# Altium PCB motordriver-v5.2.PcbDoc (part 3 of 7)
Units mil, origin at the board's own origin, x right, y up, seen from the top; angles counter-clockwise.
Board outline 4530.01 x 6141.73 mil, 6 copper layers (Top Copper, GND Layer 1, Signal Layer 1, Signal Layer 2, PWR Layer, Bottom Copper), stack 58.2 mil thick; 778 components, 542 nets, 2552 pads, 1095 vias.
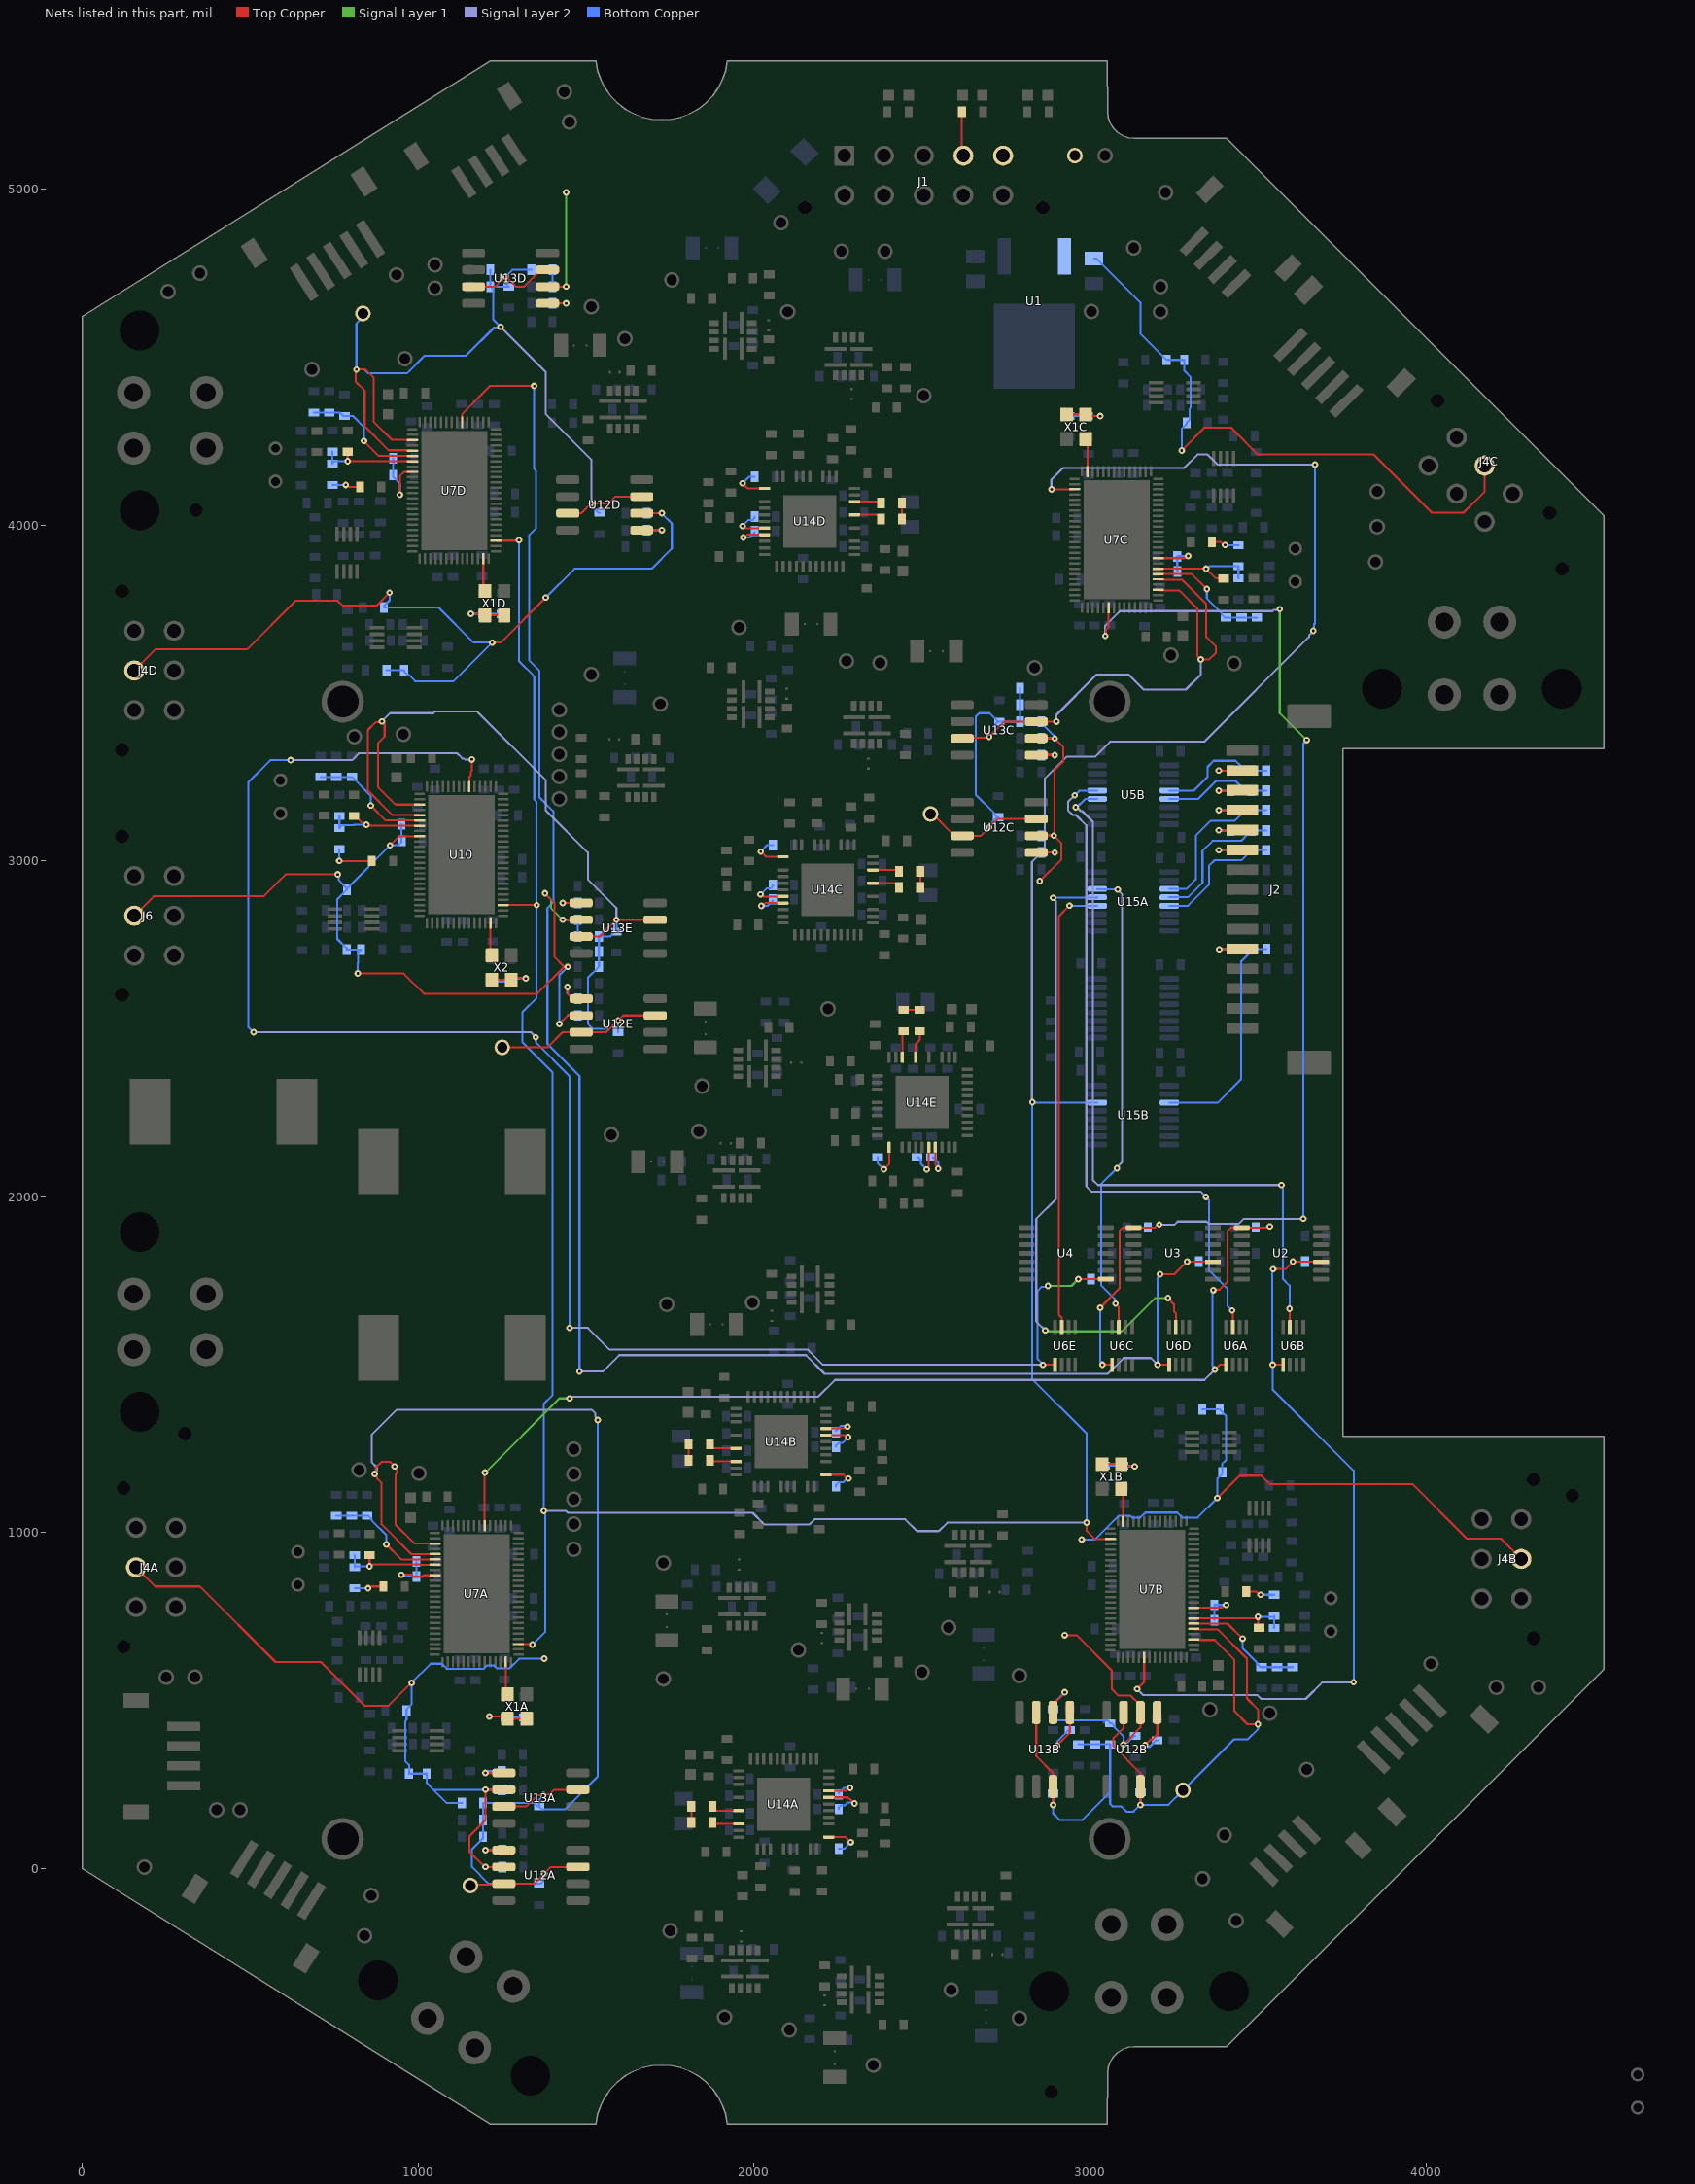
[diagram p7: the nets of this part, all layers, seen from the top]

## Part data
C1 C2: library part "CAP 10uF 35V_1", "Default Symbol for Capacitors", Manufacturer Part Number 1=C2012X5R1V106K125AC, Rating=35V, Supplier Part Number 1=445-14418-1-ND, Temperature Coefficient=X5R, Tolerance=10%, Part Number="CAP 10uF 35V_1", Supplier 1=Digi-Key
C3A C3B C4A C4B C5A C5B C5C C5D C6A C6B C6C C6D C7A C7B C7C C7D C8A C8B C8C C8D C9A C9B C9C C9D C9E C10A C10B C10C C10D C14A C14B C14C C14D C16A C16B C16C C16D C17A C17B C17C C17D C18A C18B C18C C18D C19A C19B C19C C19D C25A C25B C25C C25D C26A C26B C26C C26D C27A C27B C27C C27D C28A C28B C28C C28D C29A C29B C29C C29D C30A C30B C30C C30D C31 C32 C33 C34 C35 C40 C41 C42 C43 C46 C47 C48 C49 C50 C51 C54A C54B C54C C54D C54E C55A C55B C55C C55D C55E C57A C57B C57C C57D C57E C58A C58B C58C C58D C58E C60A C60B C60C C60D C60E C68A C68B C68C C68D C68E C72A C72B C72C C72D C72E C73A C73B C73C C73D C73E C74A C74B C74C C74D C74E C75A C75B C76A C76B: library part "CAP 100nF 50V", "Default Symbol for Capacitors", Manufacturer Part Number 1=CC0603KPX7R9BB104, Manufacturer Part Number 2=0805J0500104KJT, Rating=50V, Supplier Part Number 1=311-3567-1-ND, Temperature Coefficient=X7R, Tolerance=10%, Part Number="CAP 100nF 50V", Supplier 1=Digi-Key, Supplier 2=Digi-Key, Supplier Part Number 2=1608-1458-1-ND
C11A C11B C11C C11D C12A C12B C12C C12D C13A C13B C13C C13D C36 C37 C38: library part "CAP 1000pF 50V", "Default Symbol for Capacitors", Manufacturer Part Number 1="06035C102K4Z2A / 06035C102K4Z2A", Manufacturer Part Number 2=08055C102KAT2A, Rating=50V, Supplier Part Number 1=478-6342-1-ND, Temperature Coefficient=X7R, Tolerance=10%, Part Number="CAP 1000pF 50V", Supplier 1=Digi-Key, Supplier 2=Digi-Key, Supplier Part Number 2=478-1371-1-ND
C15A C15B C15C C15D C23A C23B C23C C23D C39 C44: library part "CAP 4.7uF 16V", "Default Symbol for Capacitors", Manufacturer Part Number 1=C1608X5R1C475K080AE, Manufacturer Part Number 2=C2012X5R1C475K085AB, Rating=16V, Supplier Part Number 1=445-175225-1-ND, Temperature Coefficient=X5R, Tolerance=10%, Part Number="CAP 4.7uF 16V", Supplier 1=Digi-Key, Supplier 2=Digi-Key, Supplier Part Number 2=445-14382-1-ND
C20A C20B C20C C20D C21A C21B C21C C21D C22A C22B C22C C22D: library part "CAP 100pF 50V", "Default Symbol for Capacitors", Manufacturer Part Number 1=C0603C101K5RAC7867, Manufacturer Part Number 2=C0805C101J5RAC7800, Rating=50V, Supplier Part Number 1=399-C0603C101K5RAC7867CT-ND, Temperature Coefficient=X7R, Tolerance=10%, Part Number="CAP 100pF 50V", Supplier 1=Digi-Key, Supplier 2=Digi-Key, Supplier Part Number 2=399-17420-1-ND
C24A C24B C24C C24D C45 C61A C61B C61C C61D C61E C62A C62B C62C C62D C62E C63A C63B C63C C63D C63E C71A C71B C71C C71D C71E: library part "CAP 470nF 50V", "Default Symbol for Capacitors", Manufacturer Part Number 1=C1608X7R1H474K080AC, Manufacturer Part Number 2=CL21B474KBFNNNG, Rating=50V, Supplier Part Number 1=445-5952-1-ND, Temperature Coefficient=X7R, Tolerance=10%, Part Number="CAP 470nF 50V", Supplier 1=Digi-Key, Supplier 2=Digi-Key, Supplier Part Number 2=1276-6482-1-ND
C52A C52B C52C C52D C52E C52F C52G C52H C52I C52J C52K C52L: library part "CAP 680pF 16V", "Default Symbol for Capacitors", Manufacturer Part Number 1=885012006028, Rating=16V, Supplier Part Number 1=732-12251-1-ND, Temperature Coefficient=X5R, Tolerance=10%, Part Number="CAP 680pF 16V", Supplier 1=Digi-Key
C53A C53B C53C C53D C53E C56A C56B C56C C56D C56E: library part "CAP 2200pF 50V", "Default Symbol for Capacitors", Manufacturer Part Number 1=06035C222KAT2A, Manufacturer Part Number 2=CL21B222KBANNNC, Rating=50V, Supplier Part Number 1=478-1219-1-ND, Temperature Coefficient=X7R, Tolerance=10%, Part Number="CAP 2200pF 50V", Supplier 1=Digi-Key, Supplier 2=Digi-Key, Supplier Part Number 2=1276-1171-1-ND
C59A C59B C59C C59D C59E C64A C64B C64C C64D C64E C69A C69B C69C C69D C69E C80A C80B C80C C80D C80E C81A C81B C81C C81D C81E C82A C82B C82C C82D C82E: library part "CAP 0.068uF 50V", "Default Symbol for Capacitors", Rating=50V, Temperature Coefficient=X7R, Tolerance=10%, Part Number="CAP 0.068uF 50V"
C65A C65B C65C C65D C65E: library part "CAP 10uF 50V", "Default Symbol for Capacitors", Manufacturer Part Number 1=GRM21BR61H106KE43L, Manufacturer Part Number 2=CL32B106KBJNNWE, Rating=50V, Supplier Part Number 1=490-18663-1-ND, Temperature Coefficient=X5R, Tolerance=10%, Part Number="CAP 10uF 50V", Supplier 1=Digi-Key, Supplier 2=Digi-Key, Supplier Part Number 2=1276-3388-1-ND
C66A C66B C66C C66D C66E C67A C67B C67C C67D C67E: library part "CAP 2.2uF 35V", "Default Symbol for Capacitors", Manufacturer Part Number 1=C1608X5R1V225K080AC, Manufacturer Part Number 2=CGA4J1X7R1V225K125AE, Rating=35V, Supplier Part Number 1=445-8025-1-ND, Temperature Coefficient=X5R, Tolerance=10%, Part Number="CAP 2.2uF 35V", Supplier 1=Digi-Key, Supplier 2=Digi-Key, Supplier Part Number 2=445-8787-1-ND
C70A C70B C70C C70D C70E: library part "CAP 0.022uF 35V", "Default Symbol for Capacitors", Manufacturer Part Number 1=GMK107BJ223KAHT, Manufacturer Part Number 2=GMK212SD223KG-T, Rating=35V, Supplier Part Number 1=587-3359-1-ND, Temperature Coefficient=X7R, Tolerance=10%, Part Number="CAP 0.022uF 35V", Supplier 1=Digi-Key, Supplier 2=Digi-Key, Supplier Part Number 2=587-1122-1-ND
C77A C77B C77C C77D C77E C78A C78B C78C C78D C78E C79A C79B C79C C79D C79E: library part "CAP 2.2uF 50V", "CAP CER 2.2UF 50V X5R 0603/0805", Manufacturer Part Number 1=GRM188R61H225KE11D, Operating Temperature="-55°C ~ 125°C", Package=0603/0805, Rating=50V, Supplier Part Number 1=81-GRM188R61H225KE1D, Temperature Coefficient=X5R, Tolerance=10%, Part Number="CAP 2.2uF 50V", Supplier 1=Mouser
D1: library part "DIODE TVS 26VWM 53.5VC SMA", "TVS DIODE 26V 53.5V SMA", Current Rating=43A, Manufacturer Part Number 1=SMAJ26CA-TR, Power=400W, Supplier Part Number 1=497-12523-1-ND, Voltage Rating - DC="26VWM, 53.5VC", Part Number="DIODE TVS 26VWM 53.5VC SMA", Pin Count=2, Supplier 1=Digi-Key, Supplier URL 1=https://www.digikey.ca/en/products/detail/stmicroelectronics/SMAJ26CA-TR/2214530?s=N4IgTCBcDaICwE4DsBaAjGArGAzOlAcgCIgC6AvkA
D2 D3 D4 D5A D5B D5C D5D D6: library part "LED GREEN SMD 0603", "LED Uni-Color Green 574nm 2-Pin Chip LED T/R", Current Rating=20mA, Manufacturer Part Number 1=LTST-C190KGKT, Supplier Part Number 1=160-1435-1-ND, Voltage Rating - DC=2V, Part Number="LED GREEN SMD 0603", Pin Count=2, Supplier 1=Digi-Key, Supplier URL 1=https://www.digikey.ca/en/products/detail/lite-on-inc/LTST-C190KGKT/386815?s=N4IgTCBcDaIIwDYAMBaOAWAzAVjSgcgCIgC6AvkA
D10A D10B D10C D10D D10E: library part "LED RED SMD 0603", "0603 red led alingap 631nm-639nm water clear 18-180mcd 130d", Current Rating=20mA, Manufacturer Part Number 1=LTST-C190KRKT, Supplier Part Number 1=160-1436-1-ND, Voltage Rating - DC=2V, Part Number="LED RED SMD 0603", Pin Count=2, Supplier 1=Digi-Key, Supplier URL 1=https://www.digikey.ca/en/products/detail/lite-on-inc/LTST-C190KRKT/386817?s=N4IgTCBcDaIIwDYAMBaOAWAzAtKByAIiALoC%2BQA
FB1A FB1B FB1C FB1D FB2: library part "FERRITE BEAD 200 MOHM 0603 1LN", "WURTH ELEKTRONIK - 742792651 - Ferrite Bead, 0603 [1608 Metric], 600 ohm, 1 A, WE-CBF Series, 0.2 ohm, &#177; 25%", Manufacturer Part Number 1=742792651, Supplier Part Number 1=732-1593-1-ND, Part Number="FERRITE BEAD 200 MOHM 0603 1LN", Supplier 1=Digi-Key, Supplier URL 1=https://www.digikey.ca/en/products/detail/w%C3%BCrth-elektronik/742792651/1638997?s=N4IgTCBcDaIOwGYwFoCMBWAnAtyByAIiALoC%2BQA
J1: library part "CN HDR 10POS MOLEX 0430451012", "CONN HEADER VERT 10POS 3MM", Manufacturer Part Number 1=0430451012, Supplier Part Number 1=WM1793-ND, Part Number="CN HDR 10POS MOLEX 0430451012", Pin Count=10, Supplier 1=Digi-Key, Supplier URL 1=https://www.digikey.ca/en/products/detail/molex/0430451012/252506?s=N4IgTCBcDaIAwBYDMiCsBGO6IF0C%2BQA
J2: library part "CN 15POS JST ZE SMT", "CONN HEADER VERT SMD 15POS ZE", Supplier Part Number 1=455-4211-1-ND, Manufacturer Part Number 1=BM15B-ZESS-TBT(LF)(SN), Part Number="CN 15POS JST ZE SMT", Pin Count=15, Supplier 1=Digi-Key, Supplier URL 1=https://www.digikey.ca/en/products/detail/jst-sales-america-inc/BM15B-ZESS-TBT-LF-SN/1886999?s=N4IgTCBcDaIEIFkCMBWOBaAWgUQMq-QBU5CAKAGQDEBKU3AOWpAF0BfIA
J3A J3B J3C J3D J7: library part "CN HDR 4POS Molex 39299044 VERT", "Molex 39299044 4POS Minifit / dual row, vertical", Supplier Part Number 1=WM7336-ND, Manufacturer Part Number 1=39299044, Part Number="CN HDR 4POS Molex 39299044 VERT", Pin Count=4, Supplier 1=Digi-Key, Supplier URL 1=https://www.digikey.ca/en/products/detail/molex/0039299044/1624292?s=N4IgTCBcDaIOoFkDsBmFA2AtAOQCIgF0BfIA
J4A J4B J4C J4D J6: library part "CN HDR 6POS Molex 43045-0628", "Molex 43045-0628 6POS Microfit / dual row, Vertical", Manufacturer Part Number 1=430450628, Supplier Part Number 1=WM10679-ND, Part Number="CN HDR 6POS Molex 43045-0628", Pin Count=6, Supplier 1=Digi-Key, Supplier URL 1=https://www.digikey.ca/en/products/detail/molex/0430450628/3310200?s=N4IgTCBcDaICwGYAMcCsSBsYAcAdXIAugL5A
J5A J5B J5C J5D: library part "CN 5POS JST ZR RA", "Connector Header Surface Mount, Right Angle 5 position 0.059\" (1.50mm)", Manufacturer Part Number 1=S5B-ZR-SM4A-TF, Supplier Part Number 1=455-1696-1-ND, Part Number="CN 5POS JST ZR RA", Pin Count=5, Supplier 1=Digi-Key, Supplier URL 1=https://www.digikey.ca/en/products/detail/jst-sales-america-inc/S5B-ZR-SM4A-TF-LF-SN/926603?s=N4IgTCBcDaICwFYEFoCMA2AnOtyByAIiALoC%2BQA
J8A J8B J8C J8D: library part "CN 4POS JST ZR RA", "Connector Header Surface Mount, Right Angle 4 position 0.059 (1.50mm)", Package=None, Supplier Part Number 1=455-1695-1-ND, Arrow_Electronics-Purchase-URL=https://snapeda.com/shop?store=Arrow+Electronics&id=449060, Availability=Unavailable, MF="JST Sales", MP=S4B-ZR-SM4A-TF(LF)(SN), Part Number="CN 4POS JST ZR RA", Pin Count=4, Price=None, SnapEDA_Link=https://www.snapeda.com/parts/S4B-ZR-SM4A-TF(LF)(SN)/JST%20Sales%20America%20Inc./view-part/449060/?ref=snap, Supplier 1=Digi-Key, Supplier URL 1=https://www.digikey.ca/en/products/detail/jst-sales-america-inc/S4B-ZR-SM4A-TF-LF-SN/926602?s=N4IgTCBcDaIMoBYBCBaAWgJRXAsgggigCoBiAFADIkCUZcActSALoC%2BQA
L1 L2 L3: library part "IND 56UH 4A 65 mOHM SMD", "FIXED IND 56UH 4A 65 MOHM SMD Shielded - Inductor 65mOhm Max Nonstandard -", Current Rating=4A, Supplier Part Number 1=283-HCM1A1307V2-560-RCT-ND, Part Number="IND 56UH 4A 65 mOHM SMD", Supplier 1=Digi-Key
MH1 MH2 MH3 MH4: library part "MOUNTING HOLE M2", "Standard M2 Mounting Hole for M2 Standoff", Part Number="MOUNTING HOLE M2"
NT1A NT1B NT1C NT1D NT1E NT4A NT4B NT4C NT4D NT4E NT5A NT5B NT5C NT5D NT5E: library part NT_8, "74LVC Series 5.5 V SMT 2-Channel Analog Multiplexer/Demultiplexer - TSSOP-8", Manufacturer Part Number 1=74LVC1G53DP,125, Supplier Part Number 1=1727-6078-1-ND, Part Number=NT_8, Supplier 1=Digi-Key, Supplier URL 1=https://www.digikey.ca/en/products/detail/nexperia-usa-inc/74LVC1G53DP-125/1300844
Q1A Q1B Q1C Q1D Q1E Q2A Q2B Q2C Q2D Q2E Q3A Q3B Q3C Q3D Q3E: library part "MOSFET N-CH DUAL NTTFD4D0N04HLTWG", "MOSFET N+N COMMON PHASE SW 40V 60A", Manufacturer Part Number 1=NTTFD4D0N04HLTWG, Supplier Part Number 1=488-NTTFD4D0N04HLTWGCT-ND, Part Number="MOSFET N-CH DUAL NTTFD4D0N04HLTWG", Supplier 1=Digi-Key, Supplier URL 1=https://www.digikey.ca/en/products/detail/onsemi/NTTFD4D0N04HLTWG/12181286?s=N4IgTCBcDaIHIBUEDEAiAWVAGOX0AkAZBAdQHEBhBEAXQF8g
R1 R2 R3 R4 R5 R6 R7 R8 R9 R10: library part "RES 10k 1/8W 1%", "RES SMD 10K OHM 1% 1/8W 0805", Manufacturer Part Number 1=ERJ-H3GJ103V, Manufacturer Part Number 2=RMCF0805JT10K0, Package=0805, Power (Watts)=0.125W, Supplier Part Number 1=10-ERJ-H3GJ103VCT-ND, Tolerance=5%, Part Number="RES 10k 1/8W 1%", Supplier 1=Digi-Key, Supplier 2=Digi-Key, Supplier Part Number 2=RMCF0805JT10K0CT-ND, Supplier URL 1=https://www.digikey.ca/en/products/detail/panasonic-electronic-components/ERJ-H3GJ103V/13877876?s=N4IgTCBcDaIIwAYC0BRASgKSQCQMwHENFcA1AYQBUkA5AERAF0BfIA, Supplier URL 2=https://www.digikey.ca/en/products/detail/stackpole-electronics-inc/RMCF0805JT10K0/1757762?s=N4IgTCBcDaIEoFkDCAxADADjQVgFIBUBGNAaTSXxAF0BfIA, Tolerance 2=5%
R11 R25A R25B R25C R25D R46 R78A R78B R78C R78D R78E: library part "RES 110.0 1/8W - 1%", "Default Resistor Symbol", Manufacturer Part Number 1=RMCF0603FT110R, Package=0805, Power (Watts)=0.125W, Supplier Part Number 1=RMCF0603FT110RCT-ND, Tolerance=1%, Part Number="RES 110.0 1/8W - 1%", Supplier 1=Digi-Key, Supplier URL 1=https://www.digikey.ca/en/products/detail/stackpole-electronics-inc/RMCF0603FT110R/1761268
R12: library part "RES 330.0 1/8W - 5%", "Default Resistor Symbol", Manufacturer Part Number 1=RMCF0603JT330R, Package=0805, Power (Watts)=0.125W, Supplier Part Number 1=RMCF0603JT330RCT-ND, Tolerance=5%, Part Number="RES 330.0 1/8W - 5%", Supplier 1=Digi-Key, Supplier URL 1=https://www.digikey.ca/en/products/detail/stackpole-electronics-inc/RMCF0603JT330R/1757998
R13: library part "RES 1.96k 1/8W", "Default Resistor Symbol", Manufacturer Part Number 1=RC0603FR-071K96L, Package=0805, Power (Watts)=0.125W, Supplier Part Number 1=311-1.96KHRCT-ND, Tolerance=1%, Part Number="RES 1.96k 1/8W", Supplier 1=Digi-Key, Supplier URL 1=https://www.digikey.ca/en/products/detail/yageo/RC0603FR-071K96L/726878
R14A R14B R15A R15B R26A R26B R26C R26D R27A R27B R27C R27D R28A R28B R28C R28D R29A R29B R29C R29D R30A R30B R30C R30D R31A R31B R31C R31D R32A R32B R32C R32D R33A R33B R33C R33D R34A R34B R34C R34D R47 R48 R49 R50 R51 R52: library part "RES 4.7k 1/8W - 5%", "Default Resistor Symbol", Manufacturer Part Number 1=RMCF0603JT4K70, Package=0805, Power (Watts)=0.125W, Supplier Part Number 1=RMCF0603JT4K70CT-ND, Tolerance=5%, Part Number="RES 4.7k 1/8W - 5%", Supplier 1=Digi-Key, Supplier URL 1=https://www.digikey.ca/en/products/detail/stackpole-electronics-inc/RMCF0603JT4K70/1757976
R16A R16B R16C R16C R16D R41: library part "RES NTC 10k TH", Manufacturer Part Number 1=NXRT15XH103FA1B040, Supplier Part Number 1=490-7167-ND, Tolerance=1%, Part Number="RES NTC 10k TH", Supplier 1=Digi-Key, Supplier URL 1=https://www.digikey.ca/en/products/detail/murata-electronics/NXRT15XH103FA1B040/3900399?s=N4IgTCBcDaICwE4AMBaA7ARgGxpQOQBEQBdAXyA
R17A R17B R17C R17D R42: library part "RES NTC 10k CHIP", Manufacturer Part Number 1=NCU18XH103F60RB, Supplier Part Number 1=490-16279-1-ND, Tolerance=1%, Part Number="RES NTC 10k CHIP", Supplier 1=Digi-Key, Supplier URL 1=https://www.digikey.ca/en/products/detail/murata-electronics/NCU18XH103F60RB/7363023?s=N4IgTCBcDaICwE4AMBaAjANjAdgelAcgCIgC6AvkA
R18A R18B R18C R18D R43: library part "RES 47k 1/8W - 1%", "Default Resistor Symbol", Manufacturer Part Number 1=MCT06030C4702FP500, Manufacturer Part Number 2=AC0805FR-0747KL, Package=0805, Power (Watts)=0.125W, Supplier Part Number 1=MCT0603-47.0K-CFCT-ND, Tolerance=1%, Part Number="RES 47k 1/8W - 1%", Supplier 1=Digi-Key, Supplier 2=Digi-Key, Supplier Part Number 2=YAG3735CT-ND, Supplier URL 1=https://www.digikey.ca/en/products/detail/vishay-beyschlag-draloric-bc-components/MCT06030C4702FP500/2607854?s=N4IgTCBcDaILIGEAqAGAbCgzAWgCwHYA6FAaWwQDFlsA5AERAF0BfIA, Supplier URL 2=https://www.digikey.ca/en/products/detail/yageo/AC0805FR-0747KL/5896858?s=N4IgTCBcDaIJoEEDiBmA7CgrAYQCoFoA5AERAF0BfIA, Tolerance 2=1%
R19A R19B R19C R19D R35A R35B R35C R35D R36A R36B R36C R36D R37A R37B R37C R37D R44 R55A R55B R55C R55D R55E R56A R56B R56C R56D R56E: library part "RES 1k 1/8W - 1%", "Default Resistor Symbol", Manufacturer Part Number 1=MCT06030C1001FP500, Manufacturer Part Number 2=RMCF0805FT1K00, Package=0805, Power (Watts)=0.125W, Supplier Part Number 1=MCT0603-1.00K-CFCT-ND, Tolerance=1%, Part Number="RES 1k 1/8W - 1%", Supplier 1=Digi-Key, Supplier 2=Digi-Key, Supplier Part Number 2=RMCF0805FT1K00CT-ND, Supplier URL 1=https://www.digikey.ca/en/products/detail/vishay-beyschlag-draloric-bc-components/MCT06030C1001FP500/2607821?s=N4IgTCBcDaILIGEAqAGAbCgzAWgIwDoUUBpbBAMWWwDkAREAXQF8g, Supplier URL 2=https://www.digikey.ca/en/products/detail/stackpole-electronics-inc/RMCF0805FT1K00/1760090?s=N4IgTCBcDaIEoFkDCAxADADjQVhQFQEYBpNNJPEAXQF8g, Tolerance 2=1%
R20A R20B R20C R20D R21A R21B R21C R21D R22A R22B R22C R22D R23A R23B R23C R23D R39A R39B R39C R39D R39E R40A R40B R40C R40D R40E R45 R53 R54 R70: library part "RES 4.7k 1/8W - 1%", "Default Resistor Symbol", Manufacturer Part Number 1=RMCF0603FT4K70, Package=0805, Power (Watts)=0.125W, Supplier Part Number 1=RMCF0603FT4K70CT-ND, Tolerance=1%, Part Number="RES 4.7k 1/8W - 1%", Supplier 1=Digi-Key, Supplier URL 1=https://www.digikey.ca/en/products/detail/stackpole-electronics-inc/RMCF0603FT4K70/1760998
R24A R24B R24C R24D R24E R38A R38B R38C R38D R38E R69A R69B R69C R69D R69E R77A R77B R77C R77D R77E R77F R77G R77H R77I R77J R77K R77L: library part "RES 0 JUMPER", "RES SMD 0 OHM JUMPER GENERIC 0805", Manufacturer Part Number 1=RK73Z1JTTD, Package=0805, Supplier Part Number 1=2019-RK73Z1JTTDCT-ND, Tolerance=N/A, Part Number="RES 0 JUMPER", Supplier 1=Digi-Key, Supplier URL 1=https://www.digikey.ca/en/products/detail/koa-speer-electronics-inc/RK73Z1JTTD/9845478
R57A R57B R57C R57D R57E R62A R62B R62C R62D R62E R63A R63B R63C R63D R63E R68A R68B R68C R68D R68E R71A R71B R71C R71D R71E R76A R76B R76C R76D R76E: library part "RES 100k 1/8W 5%", "RES SMD 100K OHM 5% 1/8W 0805", Package=0805, Power (Watts)=0.125W, Tolerance=5%, Part Number="RES 100k 1/8W 5%"
R58A R58B R58C R58D R58E R59A R59B R59C R59D R59E R61A R61B R61C R61D R61E R64A R64B R64C R64D R64E R65A R65B R65C R65D R65E R67A R67B R67C R67D R67E R72A R72B R72C R72D R72E R73A R73B R73C R73D R73E R75A R75B R75C R75D R75E R79A R79B R79C R79D R79E R80A R80B R80C R80D R80E R81A R81B R81C R81D R81E: library part "RES 10.0 1/8W - 1%", "Default Resistor Symbol", Manufacturer Part Number 1=RNCP0603FTD10R0, Package=0805, Power (Watts)=0.125W, Supplier Part Number 1=RNCP0603FTD10R0CT-ND, Tolerance=1%, Manufacturer Part Number 2=RNCP0603FTD10R0, Part Number="RES 10.0 1/8W - 1%", Supplier 1=Digi-Key, Supplier 2=Digi-Key, Supplier Part Number 2=RNCP0603FTD10R0CT-ND, Supplier URL 1=https://www.digikey.ca/en/products/detail/stackpole-electronics-inc/RNCP0603FTD10R0/2240074?s=N4IgTCBcDaIEoDkDCAFADANjQZgGIBUARARjTjSXxAF0BfIA, Supplier URL 2=https://www.digikey.ca/en/products/detail/stackpole-electronics-inc/RNCP0603FTD10R0/2240074?s=N4IgTCBcDaIEoDkDCAFADANjQZgGIBUARARjTjSXxAF0BfIA, Tolerance 2=1%
R60A R60B R60C R60D R60E R66A R66B R66C R66D R66E R74A R74B R74C R74D R74E: "RES SMD 0.01 OHM 1% 1W 1206", Manufacturer Part Number 1=CSRL1-0R01F8, Supplier Part Number 1=696-1845-1-ND, Tolerance=1%, Part Number="RES 10m 1W", Supplier 1=Digi-Key, Supplier URL 1=https://www.digikey.ca/en/products/detail/riedon/CSRL1-0R01F8/9666060?s=N4IgTCBcDaIGwE44FoCMAOALAVjcgcgCIgC6AvkA
TP1 TP2 TP3 TP4 TP5 TP6 TP7 TP8 TP9 TP10 TP11A TP11B TP11C TP11D TP12A TP12B TP12C TP12D TP13A TP13B TP13C TP13D TP13E TP14A TP14B TP14C TP14D TP14E TP15A TP15B TP15C TP15D TP15E TP16A TP16B TP16C TP16D TP16E TP17A TP17B TP17C TP17D TP17E TP18A TP18B TP18C TP18D TP18E TP19A TP19B TP19C TP19D TP19E TP20 TP21 TP22 TP23 TP24 TP25 TP26 TP27A TP27B TP27C TP27D TP28A TP28B TP28C TP28D TP29A TP29B TP29C TP29D TP30A TP30B TP30C TP30D TP31A TP31B TP31C TP31D TP32A TP32B TP32C TP32D TP33A TP33B TP33C TP33D: library part "Test Point (Via)", Part Number="Test Point (Via)"
U1: "Linear Voltage Regulator IC Positive Fixed 1 Output 1A DPAK", Supplier Part Number 1=NCP1117DT33T5GOSCT-ND, Manufacturer Part Number 1=NCP1117DT33T5G, Part Number=NCP1117DT33T5G, Supplier 1=Digi-Key, Supplier URL 1=https://www.digikey.ca/en/products/detail/onsemi/NCP1117DT33T5G/921285
U2 U3 U4: library part SN74LVC125APWR, "Buffer, Non-Inverting 4 Element 1 Bit per Element 3-State Output 14-TSSOP", Supplier Part Number 1=296-1222-1-ND, Manufacturer Part Number 1=SN74LVC125APWR, Part Number=SN74LVC125APWR, Supplier 1=Digi-Key, Supplier URL 1=https://www.digikey.ca/en/products/detail/texas-instruments/SN74LVC125APWR/276865
U5A U5B: library part "ISO ADUM141D1BRQZ", "Digital Isolator CMOS 4-CH 150Mbps 16-Pin QSOP T/R", Supplier Part Number 1=ADUM141D1BRQZ-ND, Manufacturer Part Number 1=ADUM141D1BRQZ, Part Number="ISO ADUM141D1BRQZ", Supplier 1=Digi-Key, Supplier URL 1=https://www.digikey.ca/en/products/detail/analog-devices-inc/ADUM141D1BRQZ/7606661
U6A U6B U6C U6D U6E: "Analog Switch ICs Multi/Demultiplexer LV 3:1 SP3T", Package=None, Supplier Part Number 1=512-FSA3357K8X, Availability=Unavailable, Manufacturer Part Number 1=FSA3357K8X, MP=FSA3357K8X, Part Number=FSA3357K8X, Price=None, Supplier 1=Mouser, Supplier URL 1=https://www.mouser.ca/ProductDetail/onsemi-Fairchild/FSA3357K8X?qs=sGAEpiMZZMtqBmg8fZQA6wYDAhwKfUHh
U7A U7B U7C U7D: library part TMC4671, "Motor Driver, -40 To 125Deg C Rohs Compliant: Yes", Supplier Part Number 1=1460-TMC4671-LA-ND, Manufacturer Part Number 1=TMC4671-LA, Part Number=TMC4671, Supplier 1=Digi-Key, Supplier URL 1=https://www.digikey.ca/en/products/detail/trinamic-motion-control-gmbh/TMC4671-LA/12174669?s=N4IgTCBcDaIIwBYBsAGAtAFQLIGFkHY40AZAQTQDkAREAXQF8g
U8A U8B U8C U8D U9A U9B U9C U9D U11: library part "IC 74LVC3G17DC,125", "IC BUFFER TRIPLE SCHMITT TRIGGER 5.5V VSSOP-8", Supplier Part Number 1=33AC1281, Manufacturer Part Number 1=74LVC3G17DC,125, Part Number="IC 74LVC3G17DC,125", Supplier 1=Newark, Supplier URL 1=https://canada.newark.com/nexperia/74lvc3g17dc-125/buffer-non-inverting-triple-vssop/dp/33AC1281?ost=33ac1281
U10: library part TMC4671, "Motor Driver, -40 To 125Deg C Rohs Compliant: Yes", Manufacturer Part Number 1=TMC4671-LA, Supplier Part Number 1=1460-TMC4671-LA-ND, Part Number=TMC4671, Supplier 1=Digi-Key, Supplier URL 1=https://www.digikey.ca/en/products/detail/trinamic-motion-control-gmbh/TMC4671-LA/12174669?s=N4IgTCBcDaIIwBYBsAGAtAFQLIGFkHY40AZAQTQDkAREAXQF8g
U12A U12B U12C U12D U12E U13A U13B U13C U13D U13E: library part INA240A3EDRQ1, "SP Amp Current Sense Amp Single R-R O/P 5.5V Automotive 6-Pin SC-70 T/R", Supplier Part Number 1=296-53154-1-ND, Manufacturer Part Number 1=INA240A3EDRQ1, Part Number=INA240A3EDRQ1, Supplier 1=Digi-Key, Supplier URL 1=https://www.digikey.ca/en/products/detail/texas-instruments/INA240A3EDRQ1/9861456?s=N4IgTCBcDaIJIDkCCYAsAGJBmAogEQCUBFARhAF0BfIA
U14A U14B U14C U14D U14E: "GATE DRIVER IC 8-60V QFN37", Manufacturer Part Number 1=TMC6100-LA, Supplier Part Number 1=54AH1603, Part Number=TMC6100, Supplier 1=Newark, Supplier URL 1=https://canada.newark.com/trinamic/tmc6100-la/motor-driver-40-to-125deg-c-rohs/dp/54AH1603?ost=54ah1603
U15A U15B: library part "ISO ADUM7441CRQZ", "Digital Isolator CMOS 4-CH 150Mbps 16-Pin QSOP T/R", Supplier Part Number 1=505-ADUM7441CRQZ-ND-ND, Manufacturer Part Number 1=ADUM7441CRQZ, Part Number="ISO ADUM7441CRQZ", Supplier 1=Digi-Key, Supplier URL 1=https://www.digikey.ca/en/products/detail/analog-devices-inc/ADUM7441CRQZ/2237744
X1A X1B X1C X1D X2: library part "XTAL OSC 25MHz 3.3V", "Oscillator XO 25MHz ±15ppm 15pF CMOS 55% 2.5V/3.3V 4-Pin Mini-CSMD T/R", Frequency=32.768kHz, Load Capacitance=12.5pF, Supplier Part Number 1=1253-1254-6-ND, Manufacturer Part Number 1=KC2520C25.0000C2LE00, Part Number="XTAL OSC 25MHz 3.3V", Supplier 1=Digi-Key, Supplier URL 1=https://www.digikey.ca/en/products/detail/kyocera-avx/KC2520C25-0000C2LE00/4867084?s=N4IgTCBcDaIIxgKwGYC0DEBZUDZUDkAREAXQF8g
F1 F2 F3 F4 F5: Part Number=Fiducial

## Via types
v1: diameter 19.68, hole 7.87, Top Copper to Bottom Copper, tented both sides, 751 vias
v2: diameter 19.68, hole 7.87, Top Copper to Bottom Copper, 276 vias
v3: diameter 30, hole 15, Top Copper to Bottom Copper, tented both sides, 54 vias
v4: diameter 31.5, hole 17.72, Top Copper to Bottom Copper, tented both sides, 14 vias

## Nets (pads, with @x,y where several pads share a name; then routed paths per layer and width w, separated by ;. In a path a pad name is that pad's centre, name@x,y a point inside that pad or via, vN(x,y) a via of type N, cw(c..) or ccw(c..) an arc to the next point about the centre after c; other vN are vias at no path point)
2.5V_REFA: C9A.2 C55A.2 C58A.2 R39A.2 R40A.1 TP19A.1 U7A.17 U7A.19 U12A.3 U12A.7 U13A.3 U13A.7 | length 4150.2
  Top Copper w6: U7A.19@1050.05,936.3 979.66,936.3 891,1024.97 891,1147.75 877.85,1160.9 877.85,1164.64 870,1172.5 v1(870,1175) 872.62,1177.62 872.62,1192.62 890.98,1210.98 916.18,1210.98 v1(929.61,1197.55) 929.61,1194.43 936.84,1187.2 936.84,1178.71 932,1173.87 932,1024.6 988.32,968.28 1049.58,968.28 U7A.17@1050.05,967.8 ; TP19A.1@1155,-50 1157.5,-47.5 1252.26,-47.5 U12A.7@1254.76,-45 1345,-45 v1(1375,-15) 1395,5 U12A.3@1475.24,5 ; U13A.7@1254.76,185 1320.78,185 1354.13,218.35 v1(1373.14,218.35) 1375.76,220.97 1390.78,220.97 1404.81,235 U13A.3@1475.24,235
  Signal Layer 2 w6: v1(870,1175) 870,1177.95 877.4,1185.36 877.4,1193.84 861,1210.25 861,1291 936.36,1366.36 1515.78,1366.36 1527.5,1354.64 1527.5,1345.36 1534.43,1338.43 v1(1534.43,1335.57)
  Bottom Copper w6: v1(1373.14,218.35) 1360,205.21 C55A.2@1360,185 ; v1(1375,-15) 1372.75,-17.25 1372.75,-36.19 1363.94,-45 C58A.2@1360,-45 1210,-45 1160,5 1160,58.07 1192.99,91.06 C9A.2@1192.99,95 R40A.1@1192.99,145 R39A.2@1192.99,195 1346.06,195 1356.06,185 C55A.2@1360,185 ; v1(1534.43,1335.57) 1534.43,274.43 1436.19,176.19 1368.81,176.19 C55A.2@1360,185
2.5V_REFB: C9B.2 C55B.2 C58B.2 R39B.2 R40B.1 TP19B.1 U7B.17 U7B.19 U12B.3 U12B.7 U13B.3 U13B.7 | length 2551.2
  Top Copper w6: U13B.7@2840,465 2840,335 2890,285 U13B.3@2890,244.53 v1(2890,190) ; U12B.7@3100,465 3100,418.7 3070,388.7 3070,365 3150,285 U12B.3@3150,244.53 v1(3150,190) ; U7B.17@3308.93,682.15 3310.01,681.06 3325.33,681.06 3325.62,680.78 3371.13,680.78 3430.02,621.9 3430.02,468.86 3468.87,430 v1(3500,430) 3500,473.87 3467.18,506.69 3467.18,625.08 3379.98,712.27 3325.62,712.27 3325.33,712.56 3310.01,712.56 U7B.19@3308.93,713.65
  Bottom Copper w6: C55B.2@2890,223.5 v1(2890,190) 2890,165 2910,145 2977.02,145 3060,227.98 ; C9B.2@2965,370 R40B.1@3015,370 R39B.2@3060,370 3060,227.98 ; C58B.2@3150,227.01 v1(3150,190) ; v1(3500,430) 3500,415 3470,385 3428.85,385 TP19B.1@3277,233.15 3233.85,190 v1(3150,190) ; 3060,227.98 3060,192.98 3067.98,185 3093.35,185 3108.35,170 3130,170 v1(3150,190)
2.5V_REFC: C9C.2 C55C.2 C58C.2 R39C.2 R40C.1 TP19C.1 U7C.17 U7C.19 U12C.3 U12C.7 U13C.3 U13C.7 | length 2596.5
  Top Copper w6: TP19C.1@2525,3140 2531.04,3140 2596.04,3075 U12C.3@2619.53,3075 2675,3075 v1(2700,3100) 2725,3125 U12C.7@2840,3125 ; U13C.3@2619.53,3365 2622.03,3367.5 2697.5,3367.5 v1(2700,3370) 2745,3415 U13C.7@2840,3415 v1(2900,3415) ; U7C.17@3202.93,3807.04 3204.01,3805.96 3219.33,3805.96 3219.62,3805.67 3265.13,3805.67 3319.18,3751.62 3320.29,3609.71 v1(3330,3600) 3355,3600 3375,3620 3375,3638.48 3346.29,3667.19 3346.29,3764.86 3273.98,3837.17 3219.62,3837.17 3219.33,3837.45 3204.01,3837.45 U7C.19@3202.93,3838.54
  Signal Layer 2 w6: v1(2900,3415) 2900,3435 3020,3555 3115,3555 3160,3510 3285,3510 3330,3555 v1(3330,3600)
  Bottom Copper w6: v1(2700,3100) 2702.62,3102.62 2702.62,3109.9 C55C.2@2723.05,3130.34 ; v1(2700,3370) 2717.25,3387.25 2717.25,3406.19 C58C.2@2726.06,3415 ; C55C.2@2726.99,3130.34 C55C.2@2723.05,3130.34 ; C9C.2@2792.01,3515 R40C.1@2792.01,3465 R39C.2@2792.01,3415 C58C.2@2730,3415 C58C.2@2726.06,3415 ; C55C.2@2723.05,3130.34 2714.24,3139.15 2714.24,3143.08 2660,3197.33 2660,3430 2670,3440 2701.06,3440 C58C.2@2726.06,3415
2.5V_REFD: C9D.2 C55D.2 C58D.2 R39D.2 R40D.1 TP19D.1 U7D.17 U7D.19 U12D.3 U12D.7 U13D.3 U13D.7 | length 2892
  Top Copper w6: U7D.19@983.05,4221.3 981.97,4222.39 966.65,4222.39 966.36,4222.68 912,4222.68 840.52,4294.15 840.52,4400.38 813.66,4427.24 813.66,4460.73 v1(816,4463.07) 843.07,4463.07 866.8,4439.34 866.8,4308.22 920.85,4254.17 966.36,4254.17 966.65,4253.89 981.97,4253.89 U7D.17@983.05,4252.8 ; U13D.3@1164.53,4710 1230,4710 v1(1260,4740) 1290,4710 1315,4710 1365,4760 U13D.7@1385,4760 ; U12D.3@1445,4035 1485,4035 v1(1515,4065) 1567.22,4065 1587.22,4085 U12D.7@1665.47,4085
  Signal Layer 2 w6: v1(1245,4590) 1380,4455 1380,4330 1515,4195 v1(1515,4065)
  Bottom Copper w6: TP19D.1@835,4630 835,4619.04 816,4600.04 v1(816,4463.07) 839.84,4463.07 851.11,4451.8 966.8,4451.8 1019,4504 1142.02,4504 1226.16,4588.13 1243.13,4588.13 v1(1245,4590) 1223.81,4611.19 1223.81,4701.19 C9D.2@1215,4710 ; R40D.1@1215,4760 C9D.2@1215,4710 ; C58D.2@1270,4710 C58D.2@1268.81,4710 ; R39D.2@1337.01,4760 1280,4760 v1(1260,4740) 1260,4718.81 C58D.2@1268.81,4710 ; v1(1515,4065) 1517.62,4062.38 1517.62,4054.94 1536.06,4036.5 C55D.2@1540,4036.5 ; C9D.2@1215,4710 C58D.2@1268.81,4710
2.5V_REFE: C9E.2 C55E.2 C58E.2 R39E.2 R40E.1 TP19E.1 U10.17 U10.19 U12E.3 U12E.7 U13E.3 U13E.7 | length 3102.2
  Top Copper w6: U10.19@1004.49,3136.46 923.54,3136.46 850,3210 850,3390 872.79,3412.79 889.08,3412.79 v1(891.64,3415.35) 900,3406.98 900,3370 880,3350 880,3220 932.04,3167.96 U10.17@1004.49,3167.96 ; TP19E.1@1250,2445 1385,2445 1430,2490 U12E.7@1485,2490 1560,2490 v1(1595,2525) 1610,2540 U12E.3@1705.47,2540 ; U13E.7@1484.76,2775 1540,2775 v1(1590,2825) U13E.3@1705.24,2825
  Signal Layer 2 w6: v1(891.64,3415.35) 916.29,3440 1045,3440 1050,3445 1175,3445 1380,3240 1380,3150 1505,3025 1505,2945 1590,2860 v1(1590,2825)
  Bottom Copper w6: v1(1590,2825) C58E.2@1590,2790 1586.06,2790 1571.06,2775 R39E.2@1537.99,2775 R40E.1@1537.99,2730 C9E.2@1537.99,2685 1505,2652.01 1505,2515 1520,2500 1570,2500 v1(1595,2525) C55E.2@1595,2490
5V: C1.2 C15A.2 C15B.2 C15C.2 C15D.2 C16A.2 C16B.2 C16C.2 C16D.2 C39.2 C40.2 C54A.2 C54B.2 C54C.2 C54D.2 C54E.2 C57A.2 C57B.2 C57C.2 C57D.2 C57E.2 J1.4 J1.5 J4A.5 J4B.5 J4C.5 J4D.5 J6.5 R12.2 R26A.1 R26B.1 R26C.1 R26D.1 R27A.1 R27B.1 R27C.1 R27D.1 R28A.1 R28B.1 R28C.1 R28D.1 R39A.1 R39B.1 R39C.1 R39D.1 R39E.1 R47.1 R48.1 R49.1 TP10.1 U1.3 U7A.23 U7B.23 U7C.23 U7D.23 U10.23 U12A.6 U12B.6 U12C.6 U12D.6 U12E.6 U13A.6 U13B.6 U13C.6 U13D.6 U13E.6 | length 14757.5